# Altium PCB TMC4671-EVAL_V1_1.PcbDoc (part 1 of 2) (continued)
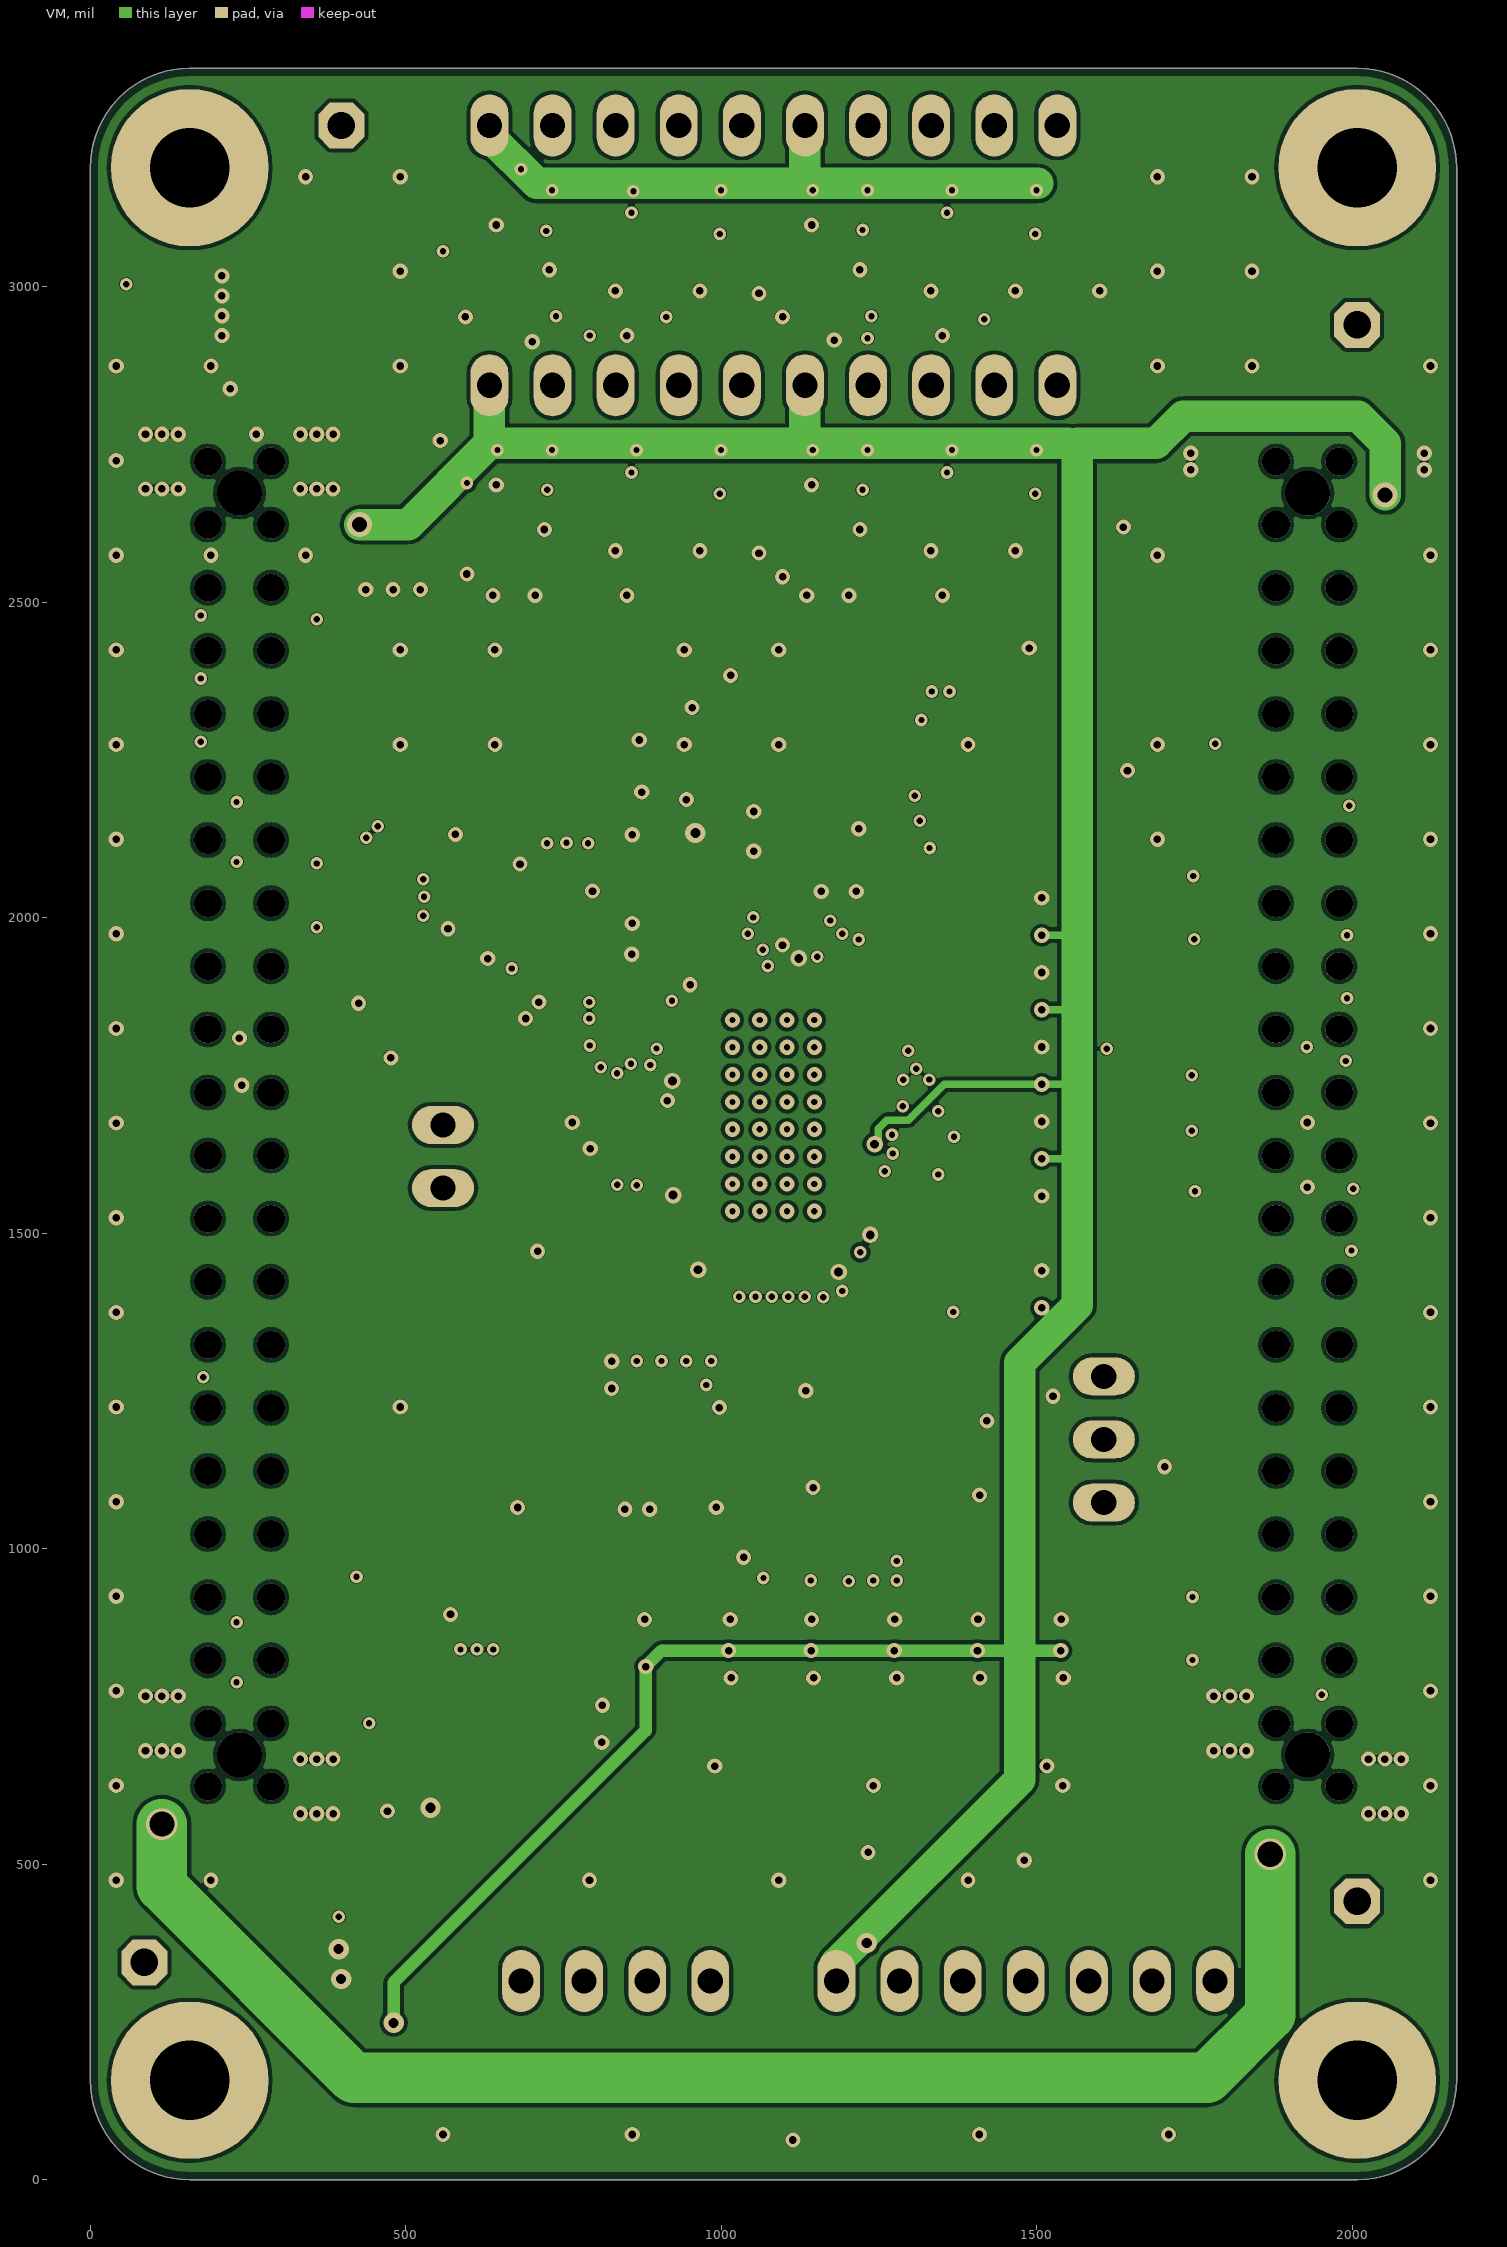
[diagram p4: VM]
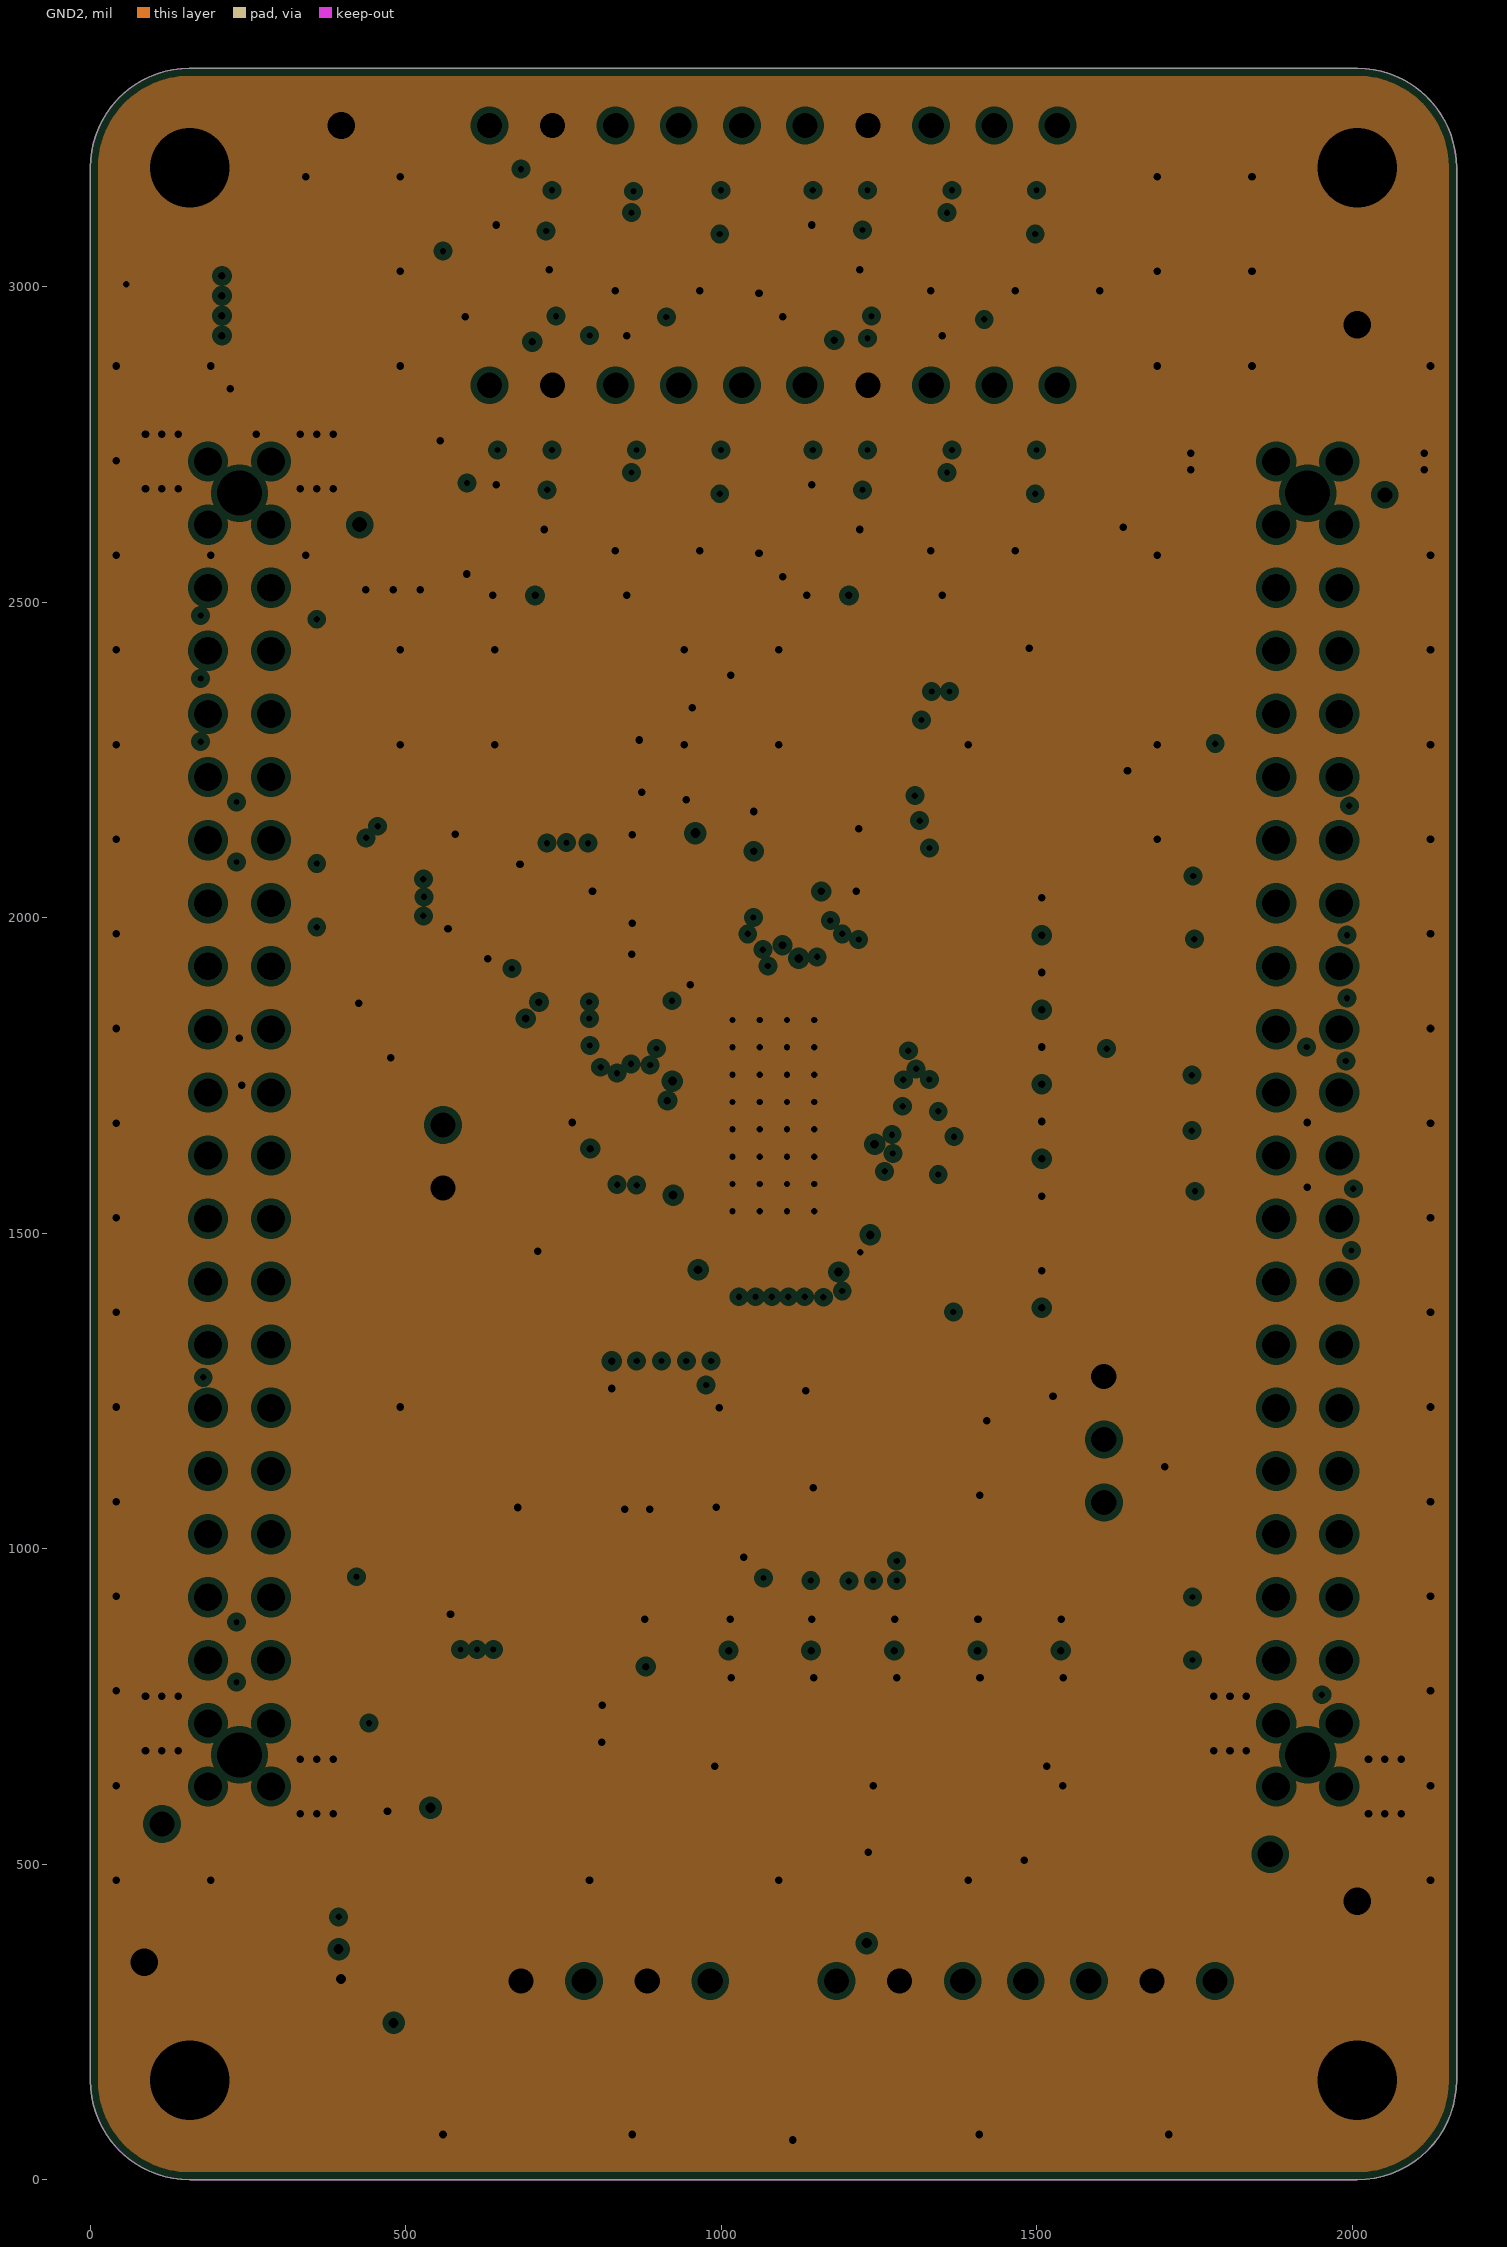
[diagram p5: GND2, clearances drawn from the general rule]

## Layer stack, top to bottom
Top Solder: solder mask 0.4, Solder Resist, Dk 3.5
Top: signal copper 1.378
Dielectric 1: core 5, FR-4, Dk 4.8
GND1: plane copper 1.378, net GND
Dielectric 6: prepreg 5, Dk 4.2
MID: signal copper 1.378
Dielectric 7: core 33.465, Dk 4.2
VM: signal copper 1.378
Dielectric 8: prepreg 5, Dk 4.2
GND2: plane copper 1.378, net GND
Dielectric 5: core 5, Dk 4.2
Bottom: signal copper 1.378
Bottom Solder: solder mask 0.4, Solder Resist, Dk 3.5

## Board outline
0,157.48 0,3188.98 cw(c157.48,3188.98) 157.48,3346.46 2007.87,3346.46 cw(c2007.88,3188.98) 2165.35,3188.98 2165.35,157.48 cw(c2007.87,157.48) 2007.87,0 157.48,0 cw(c157.48,157.48)

## Design rules (kind name [scope] priority, off if disabled: settings)
Clearance Clearance_1 [IsPad and InComponent('IC200')] p1: gap=8.5 ignorepadtopadclearanceinfootprint=TRUE except(6: SMDPad-Via)
Clearance BoardOutlineClearance [OnLayer('Keep-Out Layer')] p2: gap=11.81 ignorepadtopadclearanceinfootprint=FALSE except(6: Via-Fill Via-Poly Via-Region)
Clearance "Fiducial Clearance" [HasFootprint('FIDUCIAL_40MIL')] p3: gap=25.98 ignorepadtopadclearanceinfootprint=TRUE except(0: Arc-Hole Track-Hole SMDPad-Hole THPad-Hole Via-Hole Fill-Hole Poly-Hole Region-Hole Text-Hole)
Clearance [All] p4: gap=6 ignorepadtopadclearanceinfootprint=TRUE except(0: Arc-Hole Track-Hole SMDPad-Hole THPad-Hole Via-Hole Fill-Hole Poly-Hole Region-Hole Text-Hole)
ComponentClearance [All] p1: gap=0 collisioncheckmode=3 verticalgap=100000 showdistances=FALSE
DiffPairsRouting [InDifferentialPairClass('ECAT_DIFFERENTIAL')] p1 off: maxlimit=10 minlimit=7.5 mostfreqgap=10 toplayer_prefgap=7.5 toplayer_minwidth=7.5 toplayer_maxwidth=7.5 toplayer_prefwidth=7.5 midlayer1_prefgap=7.5 midlayer1_minwidth=7.5 midlayer1_maxwidth=7.5 midlayer1_prefwidth=7.5 midlayer2_mingap=10 midlayer2_minwidth=15 midlayer2_maxwidth=15 midlayer2_prefwidth=15 bottomlayer_prefgap=7.5 bottomlayer_minwidth=7.5 bottomlayer_maxwidth=7.5 bottomlayer_prefwidth=7.5 maxuncoupledlength=200
Height [All] p1: minheight=0 maxheight=472.44 prefheight=472.44
HoleSize [All] p1: absolutevalues=TRUE maxlimit=100000 minlimit=9.84 maxpercent=80.000 minpercent=20.000
HoleToHoleClearance [All] p1: gap=12 allowstackedmicrovias=FALSE
MinimumAnnularRing MinimumAnnualRing [OnOutside] p1: minimumring=12
MinimumSolderMaskSliver [All] p1 off: minsoldermaskwidth=1.5
PasteMaskExpansion TestPadPasteMaskExpansion [HasFootprint('SMD_TP_2X2_ROUND')] p1: expansion=-78.74
PasteMaskExpansion [All] p2: expansion=0
PlaneClearance [All] p1: clearance=10
PlaneConnect [All] p1: pad.planeconnectstyle=Relief pad.reliefexpansion=12 pad.reliefentries=4 pad.reliefconductorwidth=10 pad.reliefairgap=10 via.planeconnectstyle=Direct via.reliefexpansion=20 via.reliefentries=4 via.reliefconductorwidth=10 via.reliefairgap=10
PolygonConnect PolygonConnect_1 [IsVia AND InNet('GND')] p1: connectstyle=Direct reliefconductorwidth=10 reliefentries=4 polygonreliefangle="90 Angle" airgapwidth=10
PolygonConnect Large_Pad_PolygonConnect [PadXSize_AllLayers > 90] p2: thpad.connectstyle=Relief thpad.reliefconductorwidth=20 thpad.reliefentries=4 thpad.polygonreliefangle="90 Angle" thpad.airgapwidth=10 smdpad.connectstyle=Relief smdpad.reliefconductorwidth=15 smdpad.reliefentries=4 smdpad.polygonreliefangle="90 Angle" smdpad.airgapwidth=8 via.connectstyle=Direct via.reliefconductorwidth=20 via.reliefentries=4 via.polygonreliefangle="90 Angle" via.airgapwidth=12
PolygonConnect [All] p3: thpad.connectstyle=Relief thpad.reliefconductorwidth=15 thpad.reliefentries=4 thpad.polygonreliefangle="90 Angle" thpad.airgapwidth=8 smdpad.connectstyle=Relief smdpad.reliefconductorwidth=10 smdpad.reliefentries=4 smdpad.polygonreliefangle="90 Angle" smdpad.airgapwidth=8 via.connectstyle=Direct via.reliefconductorwidth=15 via.reliefentries=4 via.polygonreliefangle="90 Angle" via.airgapwidth=8
RoutingVias +VM_RoutingVias [InNet('+VM')] p1: holewidth=40 width=59.06 viastyle="Through Hole" minholewidth=12 minwidth=24 maxholewidth=40 maxwidth=50
RoutingVias [All] p2: holewidth=10 width=20 viastyle="Through Hole" minholewidth=9.84 minwidth=17.72 maxholewidth=16 maxwidth=32
ShortCircuit [All] p1 off: allowed=FALSE
SilkToBoardRegionClearance [All] p1 off:
SilkToSilkClearance [All] p1 off: silktosilkclearance=10
SilkToSolderMaskClearance [IsPad] p1 off: minsilkscreentomaskgap=5 clearancetoexposedcopper=TRUE
SolderMaskExpansion FiducialSolderMaskExpansion [HasFootprint('FIDUCIAL_40MIL')] p1: expansion=26
SolderMaskExpansion [All] p2: expansion=4
UnRoutedNet [All] p1 off:
Width +VM_width [InNet('+VM')] p1: maxlimit=100 minlimit=12 preferedwidth=80
Width TMC461_Room_Width [WithinRoom('RoomDefinition') and OnTop] p2: maxlimit=8 minlimit=8 preferedwidth=8
Width Main_Routing_Width [All] p3: maxlimit=500 minlimit=6 preferedwidth=11.81
16 further rules are at their usual default settings.

## Classes and differential pairs
component class [6]_PSU: C600 C601 C602 C603 C604 C605 C606 C607 C608 C609 C610 C611 C612 C613 C614 C615 IC200 IC600
component class [4]_Output_Feedback_2: P400 R400 R401 R402 R403 R404 R405 R406 R407 R408 R409 R410 TP400 TP401
component class [3]_Output_Feedback: C300 C301 C302 C303 C304 C305 C306 C307 C308 C309 C310 C311 C312 C313 C314 C315 C316 C317 C318 C319 C320 C321 C322 C323 IC300 IC301 IC302 IC303 P300 P301 P302 P303 R300 R301 R302 R303 R304 R305 R306 R307 R308 R309 R310 R311 R312 R313 R314 R315 R316 R317 R318 R319 R320 R321 R322 R323 TVS300 TVS301 TVS302 TVS303
component class [2]_Communication_Inputs: C200 C201 C202 D200 IC201 L200 P200 P201 P202 P207 R200 XTL200
differential pair class ECAT_DIFF: R0 R1 RD0 RD1 T0 T1 TD0 TD1
component class [1]_InterfaceConnectors: MNT1 MNT2 MNT3 MNT4 P1 P2 PIN1 PIN2 PIN3 PIN4 SILK1 SILK2 TP1 TP2 TP3 TP4 TP5 TP6 TP7 TP8 TP9 TP10 TP11 TP12 TP13 TP14
component class [5]_Analog_input_filters: C500 C501 C502 C503 C504 C505 C506 C507 C508 D500 D501 D502 D503 D504 D505 P500 P501 P502 R500 R501 R502 R503 R504 R505 R506 R507 R508 R509 R510

## Components (designator, comment, footprint, x,y, rotation, side; value= is the part's Value field where it differs from the comment)
C200 "100nF/10V" C0603 1122.32,2168.52 r180 top
C201 "100nF/10V" C0603 506.51,538.36 r0 top
C300 "1uF/10V" C0603 1180.71,2705.91 r90 bottom
C301 "1uF/10V" C0603 680.71,2705.91 r90 bottom
C302 "1uF/10V" C0603 1180.71,3117.72 r90 bottom
C303 "1uF/10V" C0603 680.71,3117.72 r90 bottom
C304 "100nF/10V" C0603 1097.24,2611.42 r270 top
C305 "100nF/10V" C0603 596.94,2615.76 r270 top
C306 "100nF/10V" C0603 1097.24,3023.23 r270 top
C307 "100nF/10V" C0603 606.3,3023.23 r270 top
C308 "100pF/50V/5%" C0603 1298.82,2619.29 r180 bottom
C309 "100pF/50V/5%" C0603 798.82,2619.29 r180 bottom
C310 "100pF/50V/5%" C0603 1298.82,3031.1 r180 bottom
C311 "100pF/50V/5%" C0603 798.82,3031.1 r180 bottom
C312 "100pF/50V/5%" C0603 1432.68,2619.29 r180 bottom
C313 "100pF/50V/5%" C0603 932.68,2619.29 r180 bottom
C314 "100pF/50V/5%" C0603 1432.68,3031.1 r180 bottom
C315 "100pF/50V/5%" C0603 932.68,3031.1 r180 bottom
C316 "100pF/50V/5%" C0603 1566.54,2619.29 r180 bottom
C317 "100pF/50V/5%" C0603 1066.54,2619.29 r180 bottom
C318 "100pF/50V/5%" C0603 1566.54,3031.1 r180 bottom
C319 "100pF/50V/5%" C0603 1066.54,3031.1 r180 bottom
C320 "100nF/10V" C0603 1168.9,2548.43 r0 bottom
C321 "100nF/10V" C0603 671.45,2548.43 r0 bottom
C322 "100nF/10V" C0603 1168.9,2960.24 r0 bottom
C323 "100nF/10V" C0603 668.9,2960.24 r0 bottom
C500 "1uF/10V" C0603 1232.68,447.96 r270 top
C501 "100pF/50V/5%" C0603 1437.17,1263.78 r180 top
C502 "100pF/50V/5%" C0603 1437.17,1559.06 r180 top
C503 "100pF/50V/5%" C0603 1417.8,756.03 r0 top
C504 "100pF/50V/5%" C0603 1285.91,756.03 r0 top
C505 "100pF/50V/5%" C0603 1154.02,756.03 r0 top
C506 "100pF/10V" C0603 881.5,756.03 r0 top
C507 "100pF/10V" C0603 1023.23,756.03 r0 top
C508 "10nF" C0603 1549.68,756.03 r0 top
C600 "100uF/16V" C1210 479.84,2626.46 r90 top
C601 "100nF/10V" C0603 972.68,1801.34 r270 bottom
C602 "100nF/10V" C0603 1192.91,1560.52 r270 bottom
C603 "4u7/10V" C0603 477.88,2755.65 r180 top
C604 "100nF/10V" C0603 1033.31,1473.9 r180 bottom
C605 "100nF/10V" C0603 972.68,1681.34 r90 bottom
C606 "100nF/10V" C0603 1151.42,1473.9 r0 bottom
C607 "100nF/10V" C0603 1051.18,1883.35 r0 bottom
C608 "100nF/10V" C0603 1173.23,1883.35 r180 bottom
C609 "4u7/10V" C0603 132.63,3002.23 r0 top
C610 "100nF/10V" C0603 972.44,1560.52 r90 bottom
C611 "100uF/6V3" C1210 128.74,2877.64 r90 top
C612 "47uF/10V" C1206 900.9,2073.62 r0 top
C613 "100nF" C0603 929.1,1942.37 r0 top
C614 "470nF" C0603 929.1,2002.37 r180 top
C615 "4u7" C0603 1192.91,1682.56 r270 bottom
D200 "BAT54S" SOT95P237X130-3N 696.85,1671.65 r180 bottom
D500 "BAT54S" SOT95P237X130-3N 1417.8,850.69 r0 top
D501 "BAT54S" SOT95P237X130-3N 1285.91,850.69 r0 top
D502 "BAT54S" SOT95P237X130-3N 1154.02,850.69 r0 top
D503 "BAT54S" SOT95P237X130-3N 1549.68,850.69 r0 top
D504 "BAT54S" SOT95P237X130-3N 889.37,850.69 r0 top
D505 "BAT54S" SOT95P237X130-3N 1025.2,850.69 r0 top
IC200 "TMC4671" QFN40P1050X650X90_HS-77N 1082.68,1686.5 r90 top
IC201 "AT25128B-SSHL-T" SOP127P600X175-8N 446.29,390.94 r0 top
IC300 "SN74LVC3G17DCUR" TSSOP50P310X90-8L 1322.44,2540.55 r180 bottom
IC301 "SN74LVC3G17DCUR" TSSOP50P310X90-8L 822.44,2540.55 r180 bottom
IC302 "SN74LVC3G17DCUR" TSSOP50P310X90-8L 1322.44,2952.36 r180 bottom
IC303 "SN74LVC3G17DCUR" TSSOP50P310X90-8L 822.44,2952.36 r180 bottom
IC600 "LD1117S33CTR" SOT230P700X180-4N 353.86,2954.41 r90 top
L200 "30R" L0603 1122.32,2105.53 r0 top
MNT1 "MOUNTING_HOLE" MNT_HOLE_6.35-3.2 157.48,157.48 r0 top
MNT2 "MOUNTING_HOLE" MNT_HOLE_6.35-3.2 2007.87,157.48 r0 top
MNT3 "MOUNTING_HOLE" MNT_HOLE_6.35-3.2 2007.87,3188.98 r0 top
MNT4 "MOUNTING_HOLE" MNT_HOLE_6.35-3.2 157.48,3188.98 r0 top
P1 "Interface to UC/MC" Interface_Connector 236.22,1673.23 r90 top locked
P2 "Interface to UC/MC" Interface_Connector 1929.13,1673.23 r90 top locked
P200 "UART" TH_HDR_1X3 1606.41,1173.23 r270 top
P201 "DF20F-10DP-1V(56)" "CON, TMC Debug SPI" 905.32,1238.23 r0 top
P202 "PWM_IN" TH_HDR_1X2 559.06,1621.65 r270 top
P300 "ENC1" TH_HDR_1X5 1332.68,2844.1 r180 top
P301 "ENC2" TH_HDR_1X5 832.68,2844.1 r180 top
P302 "HALL" TH_HDR_1X5 1332.68,3255.91 r180 top
P303 "REF_SW" TH_HDR_1X5 832.68,3255.91 r180 top
P400 "BRAKE_OUT" TH_HDR_1X2 1732.68,314.96 r0 top
P500 "AENC" TH_HDR_1X5 1382.68,314.96 r180 top
P501 "AIN_B" TH_HDR_1X2 932.68,314.96 r180 top
P502 "AIN_A" TH_HDR_1X2 732.68,314.96 r180 top
PIN1 "GND" TP_1.1-1.85_OCT 85.68,344.46 r90 top
PIN2 "GND" TP_1.1-1.85_OCT 2007.87,2939.76 r90 top
PIN3 "GND" TP_1.1-1.85_OCT 397.92,3255.91 r90 top
PIN4 "GND" TP_1.1-1.85_OCT 2007.87,441.34 r90 top
R200 "10k" R0603 1087.63,2041.89 r0 top
R300 "22R" R0603 1590.16,2705.91 r90 bottom
R301 "22R" R0603 1456.3,2705.91 r90 bottom
R302 "22R" R0603 1322.44,2705.91 r90 bottom
R303 "22R" R0603 1090.16,2705.91 r90 bottom
R304 "22R" R0603 956.3,2705.91 r90 bottom
R305 "22R" R0603 822.44,2705.91 r90 bottom
R306 "22R" R0603 1590.16,3117.72 r90 bottom
R307 "22R" R0603 1456.3,3117.72 r90 bottom
R308 "22R" R0603 1322.44,3117.72 r90 bottom
R309 "22R" R0603 1090.16,3117.72 r90 bottom
R310 "22R" R0603 956.3,3117.72 r90 bottom
R311 "22R" R0603 822.44,3117.72 r90 bottom
R312 "4k7" R0603 1267.32,2705.91 r90 bottom
R313 "4k7" R0603 767.32,2705.91 r90 bottom
R314 "4k7" R0603 1267.32,3117.72 r90 bottom
R315 "4k7" R0603 767.32,3117.72 r90 bottom
R316 "4k7" R0603 1401.18,2705.91 r90 bottom
R317 "4k7" R0603 901.18,2705.91 r90 bottom
R318 "4k7" R0603 1401.18,3117.72 r90 bottom
R319 "4k7" R0603 901.18,3117.72 r90 bottom
R320 "4k7" R0603 1535.04,2705.91 r90 bottom
R321 "4k7" R0603 1035.04,2705.91 r90 bottom
R322 "4k7" R0603 1535.04,3117.72 r90 bottom
R323 "4k7" R0603 1035.04,3117.72 r90 bottom
R400 "10k" R0603 1437.17,1972.44 r0 top
R401 "10k" R0603 1437.17,2031.5 r180 top
R402 "10k" R0603 1437.17,1854.33 r0 top
R403 "10k" R0603 1437.17,1913.39 r180 top
R404 "10k" R0603 1437.17,1736.22 r0 top
R405 "10k" R0603 1437.17,1795.28 r180 top
R406 "10R" R0603 1782.68,437.06 r90 bottom
R407 "10k" R0603 1437.17,1618.11 r0 top
R408 "10k" R0603 1437.17,1677.17 r180 top
R409 "10k" R0603 1437.17,1381.89 r0 top
R410 "10k" R0603 1437.17,1440.94 r180 top
R500 "100R" R0603 1437.17,1322.83 r0 top
R501 "100R" R0603 1437.17,1500 r0 top
R502 "100R" R0603 1417.8,693.04 r180 top
R503 "100R" R0603 1285.91,693.04 r180 top
R504 "100R" R0603 1154.02,693.04 r180 top
R505 "4k" R0805 920.87,599.41 r270 top
R506 "4k" R0805 1059.45,599.41 r270 top
R507 "1k" R0603 881.5,693.04 r180 top
R508 "1k" R0603 1023.23,693.04 r180 top
R509 "1k5" R0603 1549.68,693.04 r180 top
R510 "100k" R0603 1643.31,724.54 r270 top
SILK1 "BACK SIDE GRAPHICS" TMC4671_EVAL_V1_0_BACK_LABEL 1082.68,385.28 r180 bottom
SILK2 "TMC LOGO SMALL" TMC_logo_small 1082.7,255.22 r0 top
TP1 "+3V3" TP_SMD_1.2MM_ROUND#1 432.68,185.04 r270 bottom
TP2 "+5V" TP_SMD_1.2MM_ROUND#2 461.68,185.04 r270 bottom
TP3 "GPIO0" TP_SMD_1.2MM_ROUND#2 557.22,185.04 r270 bottom
TP4 "GPIO1" TP_SMD_1.2MM_ROUND#2 652.76,185.04 r270 bottom
TP5 "GPIO2" TP_SMD_1.2MM_ROUND#2 748.29,185.04 r270 bottom
TP6 "GPIO3" TP_SMD_1.2MM_ROUND#2 843.83,185.04 r270 bottom
TP7 "GPIO4" TP_SMD_1.2MM_ROUND#2 939.37,185.04 r270 bottom
TP8 "GPIO5" TP_SMD_1.2MM_ROUND#2 1034.91,185.04 r270 bottom
TP9 "GPIO6" TP_SMD_1.2MM_ROUND#2 1130.45,185.04 r270 bottom
TP10 "GPIO7" TP_SMD_1.2MM_ROUND#2 1225.98,185.04 r0 bottom
TP11 "AENC_UX_N" TP_SMD_1.2MM_ROUND#2 1321.52,185.04 r0 bottom
TP12 "AENC_VN_N" TP_SMD_1.2MM_ROUND#2 1417.06,185.04 r0 bottom
TP13 "AENC_WY_N" TP_SMD_1.2MM_ROUND#2 1512.6,185.04 r0 bottom
TP14 "GND" TP_SMD_1.2MM_ROUND#2 1799.21,185.04 r90 bottom
TP400 "ADC_I0_INN" TP_SMD_1.2MM_ROUND#2 1703.67,185.04 r180 bottom
TP401 "ADC_I1_INN" TP_SMD_1.2MM_ROUND#2 1608.14,185.04 r0 bottom
TVS300 "SRV05-4.TCT" SOT95P280X145-6N 1208.27,2615.35 r180 top
TVS301 "SRV05-4.TCT" SOT95P280X145-6N 708.27,2615.35 r180 top
TVS302 "SRV05-4.TCT" SOT95P280X145-6N 1208.27,3027.17 r180 top
TVS303 "SRV05-4.TCT" SOT95P280X145-6N 716.14,3027.17 r180 top
XTL200 "25MHz" FOX924B-25.000 1092.68,2282.34 r180 top
